# Altium PCB ST_Board.PcbDoc (continued)
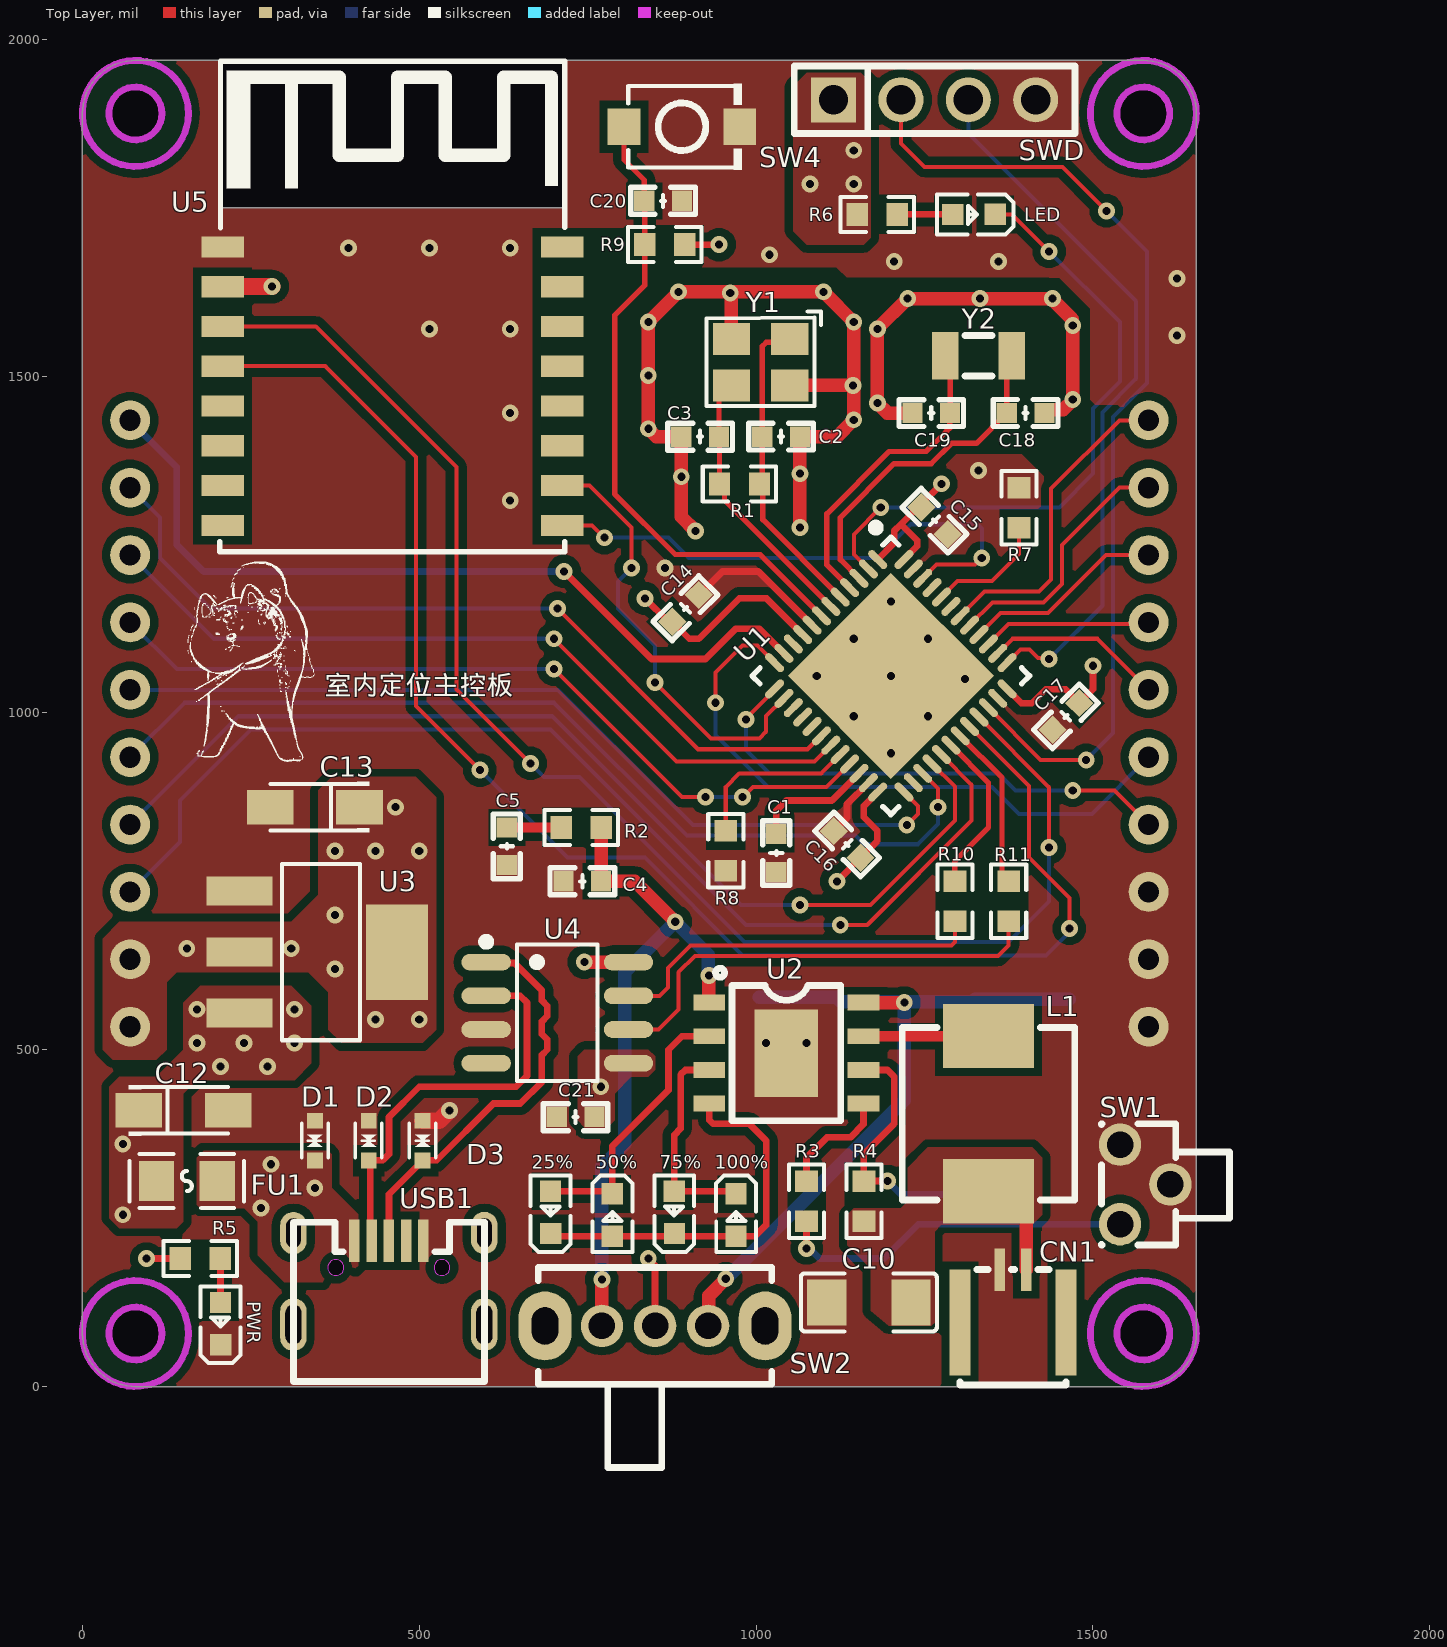
[diagram p0: Top Layer view]
## Design rules (kind name [scope] priority, off if disabled: settings)
Clearance Clearance_Singnal [InNetClass('Singnal') And (IsTrack Or IsArc) vs InNetClass('Singnal') And (IsTrack Or IsArc)] p1: gap=8 ignorepadtopadclearanceinfootprint=TRUE
Clearance Clearance_InPoly [InPoly] p2: gap=12 ignorepadtopadclearanceinfootprint=TRUE
Clearance [All] p3: gap=8 ignorepadtopadclearanceinfootprint=TRUE
DiffPairsRouting [All] p1: maxlimit=20 minlimit=12 mostfreqgap=12 toplayer_minwidth=6 toplayer_maxwidth=10 toplayer_prefwidth=6 bottomlayer_minwidth=6 bottomlayer_maxwidth=10 bottomlayer_prefwidth=6 maxuncoupledlength=700
HoleToHoleClearance [All] p1: gap=8 allowstackedmicrovias=TRUE
MatchedLengths [InDifferentialPair('D')] p1: tolerance=10 checknetsindiffpair=FALSE checkdiffpairvsdiffpair=TRUE checkxsignals=TRUE checkothers=TRUE
MinimumSolderMaskSliver [All] p1: minsoldermaskwidth=0.5
PlaneClearance [All] p1: clearance=12
PlaneConnect [All] p1: planeconnectstyle=Direct reliefexpansion=20 reliefentries=4 reliefconductorwidth=10 reliefairgap=10
PolygonConnect PolygonConnect_GND [All] p1: connectstyle=Direct reliefconductorwidth=10 reliefentries=4 polygonreliefangle="90 Angle" airgapwidth=10
PolygonConnect [OnBottomLayer Or OnBottomLayer vs IsVia] p2: connectstyle=Relief reliefconductorwidth=10 reliefentries=4 polygonreliefangle="90 Angle" airgapwidth=10
RoutingVias [All] p1: holewidth=12 width=25 viastyle="Through Hole" minholewidth=12 minwidth=25 maxholewidth=28 maxwidth=50
SilkToSilkClearance [All] p1: silktosilkclearance=2
SilkToSolderMaskClearance [IsPad] p1: minsilkscreentomaskgap=2 clearancetoexposedcopper=TRUE
SolderMaskExpansion [IsVia] p1: expansion=4 istentingtop=TRUE
Width Width_Signal [InNetClass('Singnal')] p1: maxlimit=10 minlimit=6 preferedwidth=6 minimp=50.000000 maximp=50.000000 favimp=50.000000
Width Width_Analog [InNetClass('Analog')] p2: maxlimit=15 minlimit=10 preferedwidth=10 minimp=50.000000 maximp=50.000000 favimp=50.000000
Width Width_PWR [InNetClass('PWR')] p3: maxlimit=30 minlimit=10 preferedwidth=20 bottomlayer_minwidth=15 minimp=50.000000 maximp=50.000000 favimp=50.000000
Width Width_GND [InNetClass('GND')] p4: maxlimit=50 minlimit=10 preferedwidth=25 bottomlayer_minwidth=25 minimp=50.000000 maximp=50.000000 favimp=50.000000
Width [All] p5: maxlimit=40 minlimit=6 preferedwidth=10 bottomlayer_minwidth=10 bottomlayer_maxwidth=10 minimp=50.000000 maximp=50.000000 favimp=50.000000
23 further rules are at their usual default settings.

## Classes and differential pairs
net class Analog: AIN NetC1_2 NetC5_2 NetC11_2 NetL1_1 NetLED1_1 NetLED1_2 NetLED3_2 NetLED5_2 NetLED6_2 NetR3_1 NetR3_2
net class GND: GND
net class singnal: BOOT0 BOOT1 D_N D_P DE_RXD DE_TXD MCU_C0 MCU_C1 MCU_C2 MCU_INH1 MCU_INH2 MCU_INH3 MCU_R0 MCU_R1 MCU_R2 MCU_R3 MCU_R4 MCU_R5 NRST RXD1 RXD2 RXD6 SPPKEY STATE SWCLK SWDIO TXD1 TXD2 TXD6 ULED XTALA XTALB XTALC XTALD
net class PWR: VBAT VBAT-IN VBAT-OUT VBUS VCC-3.3 VCC-5
differential pair D: +D_P -D_N

## Components (designator, comment, footprint, x,y, rotation, side; value= is the part's Value field where it differs from the comment)
25% "NCD0603G2" LED0603-RD 695.14,258.53 r90 top (schematic designator LED1)
50% "NCD0603G2" LED0603-RD 786.52,254.62 r270 top (schematic designator LED2)
75% "NCD0603G2" LED0603-RD 878.75,258.53 r90 top (schematic designator LED3)
100% "NCD0603G2" LED0603-RD 970.14,254.62 r270 top (schematic designator LED4)
C1 "Cap" C0603 1030,792 r90 top value=2.2uF
C2 "Cap" C0603 1037,1410 r180 top value=22pF
C3 "Cap" C0603 917,1410 r0 top value=22pF
C4 "Cap" C0603 742,750 r0 top value=10uF
C5 "Cap" C0603 630,802 r90 top value=10uF
C6 "Cap" C1206 1465,512.3 r90 bottom value=22uF
C7 "Cap" C1206 1325,512.3 r90 bottom value=22uF
C8 "Cap" C1206 1120,515 r90 bottom value=22uF
C9 "Cap" C1206 1005,515 r90 bottom value=22uF
C10 "Cap" C1206 1167.3,125 r0 top value=22uF
C11 "Cap" C1206 1377.3,305 r180 bottom value=22uF
C12 "TAJA106K016RNJ" CAP-SMD_L3.2-W1.6-RD-C7171 150,410 r0 top value=10uF
C13 "TAJA106K016RNJ" CAP-SMD_L3.2-W1.6-RD-C7171 345,860 r180 top value=10uF
C14 "Cap" C0603 895.2,1155.2 r225 top value=100nF
C15 "Cap" C0603 1264.8,1285.2 r135 top value=100nF
C16 "Cap" C0603 1135.2,804.8 r315 top value=100nF
C17 "Cap" C0603 1459.8,994.8 r45 top value=100nF
C18 "Cap" C0603 1400,1445 r180 top value=22pF
C19 "Cap" C0603 1260,1445 r0 top value=22pF
C20 "Cap" C0603 862,1760 r180 top value=100nF
C21 "Cap" C0603 732,400 r0 top value=100nF
CN1 "1.0T-2P卧贴" CONN-SMD_1.0T-2P 1381.26,134.34 r0 top
D1 "LESD5D5.0CT1G" SOD-523_L1.2-W0.8-LS1.6-BI 345,365 r270 top
D2 "LESD5D5.0CT1G" SOD-523_L1.2-W0.8-LS1.6-BI 425,365 r270 top
D3 "LESD5D5.0CT1G" SOD-523_L1.2-W0.8-LS1.6-BI 505,365 r270 top
FU1 "FUSE 1A" F0805 155.02,305 r180 top
J1 "Header 10X1" HDR-TH_10P-P2.54-V-M 70.87,984.25 r270 bottom
J2 "Header 10X1" HDR-TH_10P-P2.54-V-M 1582.68,984.25 r270 bottom
L1 "Inductor" IND-SMD_L6.5-W6.5_IHLP-2525 1345,405 r270 top value=1uH
LED "NCD0603G2" LED0603-RD 1323.53,1739.86 r180 top (schematic designator LED6)
PWR "NCD0603G2" LED0603-RD 205.13,93.53 r90 top (schematic designator LED5)
R1 "10M" R0603 975.34,1340 r0 top
R2 "2Ω" R0603 740.34,830 r0 top
R3 "10k" R0603 1075,275.34 r90 top
R4 "500mΩ" R0603 1160,275.34 r270 top
R5 "2k" R0603 175,190 r0 top
R6 "2k" R0603 1180,1740 r0 top
R7 "100k" R0603 1390,1304.66 r270 top
R8 "100k" R0603 955,795.34 r90 top
R9 "4.7k" R0603 864.66,1695 r180 top
R10 "0Ω" R0603 1295,720.34 r90 top
R11 "0Ω" R0603 1375,720.34 r90 top
SW1 "GT-TCB73B-H048-L1" SW-TH_G-SWITCH_GT-TCB73B-H048-L1 1577.6,300.01 r90 top
SW2 "SK12D07VG3" SW-TH_SK12D07VG3 850,90 r0 top
SW4 "TS-1088-AR02016" SW-SMD_L3.9-W3.0-P4.45 890,1870 r0 top
SWD "SWD" HDR-TH_4P-P2.54-V-F 1265,1910 r0 top
U1 "STM32F411CEU6" UFQFPN-48_L7.0-W7.0-P0.50-BL-EP 1200,1055 r225 top
U2 "IP5306" ESOP-8_L4.9-W3.9-P1.27-LS6.0-BL-EP 1045,495 r270 top
U3 "LD1117-3.3" SOT-223-3_L6.5-W3.4-P2.30-LS7.0-BR 350,645 r180 top
U4 "CH340N" SOP-8_L4.9-W3.9-P1.27-LS6.0-BL 705,555 r270 top
U5 "HC04" HC-04 460,1485 r0 top
USB1 "U-F-M5DD-W-2" MICRO-USB-SMD_MICRO-USB-A17 455,160 r270 top
Y1 "25M" OSC-SMD_4P-L3.2-W2.5-BL 1006.69,1520.55 r180 top value=-
Y2 "32.768K" FC-135R_L3.2-W1.5 1330,1530 r180 top

## Footprints (in the part's own frame and the unit in brackets; to place one, negate y for a bottom-side part, rotate by r counter-clockwise, add the part's x,y. Pads: shape width x height; smd on the part's side, far side on the other; paste and mask are expansions set on the pad)
C0603 [mil] "无极性贴片电容"
  rect 30x30 smd mask+2: 1(-28,0) 2(28,0)
  silkscreen extent -48,-20 48,20, body extent -31,-16 31,16, height 32
C1206 [mm] "无极性贴片电容"
  rect 1.485x1.728 smd paste-100 mask+0.051: 1(-1.593,0) 2(1.593,0)
  silkscreen extent -2.56,-1.09 2.56,1.09, body extent -1.73,-0.81 1.47,0.81, height 1.11
CAP-SMD_L3.2-W1.6-RD-C7171 [mil]
  rect 69.19x51.02 smd paste+0 mask+2: 1(-66.39,0) 2(66.39,0)
  silkscreen extent -81,-37 66,37, body extent -68,-31 58,31, height 67
CONN-SMD_1.0T-2P [mm]
  rect 0.8x4 smd paste+0 mask+0.051: 0(-2,-0.999) 0(2,-0.999)
  rect 0.4x1.6 smd paste+0 mask+0.051: 1(-0.498,0.999) 2(0.502,0.999)
  silkscreen extent -2,-3.35 2,1, body extent -1.75,-3.4 1.75,1.6, height 2.45
ESOP-8_L4.9-W3.9-P1.27-LS6.0-BL-EP [mm]
  rect 0.6x1.2 smd paste+0 mask+0.051: 1(-1.905,-2.908) 2(-0.635,-2.908) 3(0.635,-2.908) 4(1.905,-2.908) 5(1.905,2.908) 6(0.635,2.908) 7(-0.635,2.908) 8(-1.905,2.908)
  rect 3.3x2.4 smd paste+0 mask+0.051: 9(0,0)
  silkscreen extent -3.2,-2.67 2.55,2.05, body extent -2.45,-3.05 2.45,3.05, height 1.67
F0805 [mm]
  rect 1.335x1.5 smd paste-100 mask+0.051: 1(-1.142,0) 2(1.142,0)
  silkscreen extent -2.16,-1.02 2.16,1.02, body extent -1.05,-0.7 1.05,0.7, height 0.8
FC-135R_L3.2-W1.5 [mm]
  rect 1x1.8 smd: 1(-1.25,0) 2(1.25,0)
  silkscreen extent -0.51,-0.76 0.51,0.76, body extent -1.6,-0.75 1.6,0.75, height 0.76
HC-04 [mm]
  rect 1.6x0.8 smd: 1(-6.4,5.25) 2(-6.4,3.75) 3(-6.4,2.25) 4(-6.4,0.75) 5(-6.4,-0.75) 6(-6.4,-2.25) 7(-6.4,-3.75) 8(-6.4,-5.25) 9(6.4,-5.25) 10(6.4,-3.75) 11(6.4,-2.25) 12(6.4,-0.75) 13(6.4,0.75) 14(6.4,2.25) 15(6.4,3.75) 16(6.4,5.25)
  silkscreen extent -6.5,-6.25 6.5,12.25
HDR-TH_4P-P2.54-V-F [mm]
  rect 1.7x1.7 hole 1.1: 1(-3.81,0)
  round 1.7 hole 1.1: 2(-1.27,0) 3(1.27,0) 4(3.81,0)
  silkscreen extent -5.29,-1.27 5.29,1.27
HDR-TH_10P-P2.54-V-M [mm]
  round 1.5 hole 0.8 paste+0 mask+0.05: 1(-11.43,0) 2(-8.89,0) 3(-6.35,0) 4(-3.81,0) 5(-1.27,0) 6(1.27,0) 7(3.81,0) 8(6.35,0) 9(8.89,0) 10(11.43,0)
  silkscreen extent -12.7,-1.27 12.7,1.27, body extent -12.7,-1.41 12.71,1.4, height 10.1
IND-SMD_L6.5-W6.5_IHLP-2525 [mm] "贴片电感"
  rect 2.42x3.43 smd paste+0 mask+0.051: 1(-2.925,0) 2(2.925,0)
  silkscreen extent -3.25,-3.25 3.25,3.25, body extent -3.43,-3.23 3.43,3.23, height 2.97
LED0603-RD [mm] "LED0603"
  rect 0.8x0.8 smd paste+0 mask+0.051: 1(-0.799,-0.003) 2(0.799,0.003)
  silkscreen extent -1.49,-0.75 1.39,0.76, body extent -0.81,-0.41 0.81,0.41, height 0.56
MICRO-USB-SMD_MICRO-USB-A17 [mm]
  rect 1.6x0.4 smd paste-100 mask+0.051: 1(-1.435,-1.3) 2(-1.435,-0.65) 3(-1.435,0) 4(-1.435,0.65) 5(-1.435,1.3)
  oval 1.6x1 hole 0.55 slot 1.1 at 0 deg copper offset 0.001,0 paste+0 mask+0.051: 6(-1.725,-3.599)
  oval 1.6x1 hole 0.55 slot 1.1 at 0 deg copper offset -0.001,0 paste+0 mask+0.051: 7(-1.725,3.599)
  oval 2x1 hole 0.6 slot 1.5 at 0 deg copper offset -0.001,0.001 paste+0 mask+0.051: 8(1.724,3.599)
  oval 2x1 hole 0.6 slot 1.5 at 0 deg copper offset 0.001,0.001 paste+0 mask+0.051: 9(1.724,-3.599)
  Keep-Out Layer board cut-out: -0.125,-2 -0.125,-1.94 -0.171,-1.83 -0.255,-1.746 -0.365,-1.7 -0.485,-1.7 -0.595,-1.746 -0.679,-1.83 -0.725,-1.94 -0.725,-2 -0.725,-2.06 -0.679,-2.17 -0.595,-2.254 -0.485,-2.3 -0.365,-2.3 -0.255,-2.254 -0.171,-2.17 -0.125,-2.06 -0.125,-2 -0.125,-2
  Keep-Out Layer board cut-out: -0.125,2 -0.125,2.06 -0.171,2.17 -0.255,2.254 -0.365,2.3 -0.485,2.3 -0.595,2.254 -0.679,2.17 -0.725,2.06 -0.725,2 -0.725,1.94 -0.679,1.83 -0.595,1.746 -0.485,1.7 -0.365,1.7 -0.255,1.746 -0.171,1.83 -0.125,1.94 -0.125,2 -0.125,2
  silkscreen extent -2.14,-3.6 3.88,3.61, body extent -2.1,-3.75 4,3.75, height 2.53
OSC-SMD_4P-L3.2-W2.5-BL [mm]
  rect 1.4x1.2 smd: 1(-1.1,-0.875) 2(1.1,-0.875) 3(1.1,0.875) 4(-1.1,0.875)
  silkscreen extent -2.29,-1.9 2.03,1.65, body extent -1.6,-1.25 1.6,1.25, height 0.81
R0603 [mil] "R0603"
  rect 31.75x34.02 smd paste-3937.01 mask+2: 1(-29.66,0) 2(29.66,0)
  silkscreen extent -55,-26 55,26, body extent -31,-16 31,16, height 17
SOD-523_L1.2-W0.8-LS1.6-BI [mm]
  rect 0.6x0.6 smd paste+0 mask+0.051: 1(-0.75,0) 2(0.75,0)
  silkscreen extent -0.65,-0.5 0.65,0.5, body extent -0.8,-0.4 0.8,0.4, height 0.71
SOP-8_L4.9-W3.9-P1.27-LS6.0-BL [mm]
  oval 0.63x1.865 smd: 1(-1.905,-2.682) 2(-0.635,-2.682) 3(0.635,-2.682) 4(1.905,-2.682) 5(1.905,2.682) 6(0.635,2.682) 7(-0.635,2.682) 8(-1.905,2.682)
  silkscreen extent -2.82,-2.83 2.58,1.52, body extent -2.45,-3 2.45,3, height 1.5
SOT-223-3_L6.5-W3.4-P2.30-LS7.0-BR [mm]
  rect 2.5x1.1 smd paste+0 mask+0.051: 1(2.97,-2.3) 2(2.97,0) 3(2.97,2.3)
  rect 2.34x3.6 smd paste+0 mask+0.051: 4(-2.97,0)
  silkscreen extent -1.57,-3.33 1.37,3.33, body extent -3.88,-3.25 3.12,3.25, height 1.84
SW-SMD_L3.9-W3.0-P4.45 [mm]
  rect 1.23x1.36 smd paste+0 mask+0.051: 1(-2.185,0) 2(2.185,0)
  silkscreen extent -2.03,-1.62 2.25,1.62, body extent -2.4,-1.45 2.4,1.45, height 1.95
SW-TH_G-SWITCH_GT-TCB73B-H048-L1 [mm]
  round 1.6 hole 1 paste+0 mask+0.051: 1(-1.5,0.95) 2(1.5,0.95) 3(0,-0.95)
  silkscreen extent -2.29,-3.18 2.29,1.65, body extent -2.25,-3.08 2.25,1.72, height 4.47
SW-TH_SK12D07VG3 [mm]
  round 1.6 hole 1 paste+0 mask+0.051: 1(-2,0) 2(0,0) 3(2,0)
  oval 2x2.6 hole 1 slot 1.4 at 90 deg paste+0 mask+0.051: 4(4.15,0) 5(-4.15,0)
  silkscreen extent -4.4,-5.33 4.4,2.2, body extent -4.35,-6.22 4.35,2.18, height 4.7
UFQFPN-48_L7.0-W7.0-P0.50-BL-EP [mm]
  oval 0.28x0.9 smd: 1(-2.751,-3.449) 2(-2.25,-3.449) 3(-1.75,-3.449) 4(-1.25,-3.449) 5(-0.749,-3.449) 6(-0.249,-3.449) 7(0.249,-3.449) 8(0.749,-3.449) 9(1.25,-3.449) 10(1.75,-3.449) 11(2.251,-3.449) 12(2.751,-3.449) 25(2.751,3.449) 26(2.251,3.449) 27(1.75,3.449) 28(1.25,3.449) 29(0.749,3.449) 30(0.249,3.449) 31(-0.249,3.449) 32(-0.749,3.449) 33(-1.25,3.449) 34(-1.75,3.449) 35(-2.25,3.449) 36(-2.751,3.449)
  oval 0.9x0.28 smd: 13(3.449,-2.751) 14(3.449,-2.251) 15(3.449,-1.75) 16(3.449,-1.25) 17(3.449,-0.749) 18(3.449,-0.249) 19(3.449,0.249) 20(3.449,0.749) 21(3.449,1.25) 22(3.449,1.75) 23(3.449,2.25) 24(3.449,2.751) 37(-3.449,2.751) 38(-3.449,2.25) 39(-3.449,1.75) 40(-3.449,1.25) 41(-3.449,0.749) 42(-3.449,0.249) 43(-3.449,-0.249) 44(-3.449,-0.749) 45(-3.449,-1.25) 46(-3.449,-1.75) 47(-3.449,-2.251) 48(-3.449,-2.751)
  rect 5.5x5.5 smd: 49(0,0)
  silkscreen extent -3.7,-4.5 3.7,3.7, body extent -3.5,-3.5 3.5,3.5, height 0.61

## Part data
25% 50% 75% 100%: Emitted Color=翠绿, JLCPCB Part Class="Extended Part", Manufacturer=国星光电, Add into BOM=yes, Convert to PCB=yes, Datasheet=https://atta.szlcsc.com/upload/public/pdf/source/20200820/C87326_434E337B13CFAB9A1423E0838CFDDDAC.pdf, Device=NCD0603G2, LCSC Part Name=翠绿, Manufacturer Part=NCD0603G2, Name=NCD0603G2, Supplier=LCSC, Supplier Footprint=0603, Supplier Part=C87326, Symbol=FC-1608UGK-520D
C1 C2 C3 C4 C5 C6 C7 C8 C9 C10 C11 C14 C15 C16 C17 C18 C19 C20 C21: "Capacitor", LatestRevisionDate=17-Jul-2002, LatestRevisionNote="Re-released for DXP Platform.", PackageDescription="Radial Cap, Thru-Hole; 2 Leads; 0.3 in Pin Spacing", PackageReference=RAD-0.3, Published=8-Jun-2000, Publisher="Altium Limited"
C12 C13: library part Cap-TAJA, "贴片钽电容", Equivalent Series Resistance(ESR)=3Ω@100kHz, JLCPCB Part Class="Basic Part", LCSC Part Name="10uF ±10% 16V", Manufacturer="Kyocera AVX", Operating Temperature=-55℃~+125℃, Rated Voltage=16V, Tolerance=±10%, Add into BOM=yes, Convert to PCB=yes, Datasheet=https://atta.szlcsc.com/upload/public/pdf/source/20160107/1457707748093.pdf, Device=TAJA106K016RNJ, Manufacturer Part=TAJA106K016RNJ, Name=10uF, Supplier=LCSC, Supplier Footprint=CASE-A-3216, Supplier Part=C7171, Symbol=TAJA106K016RNJ
CN1: "锂电池接口", JLCPCB Part Class="Extended Part", LCSC Part Name="SH 1mm 1x2P 卧贴", Manufacturer=BOOMELE(博穆精密), Add into BOM=yes, Contact Material=磷铜, Convert to PCB=yes, Datasheet=https://atta.szlcsc.com/upload/public/pdf/source/20171115/C145954_15107293403501120439.pdf, Device=1.0T-2P卧贴, Manufacturer Part=1.0T-2P卧贴, Mounting Style=-, Name=1.0T-2P卧贴, Number of PINs Per Row=2, Number of Rows=1, Pins Structure=1x2P, Pitch=1mm, Reference Series=SH, Row Spacing=-, Supplier=LCSC, Supplier Footprint=SMD,P=1mm, Supplier Part=C145954, Symbol=1.0T-2P_C145954
D1 D2 D3: "静电放电(ESD)保护器件", Designer=U?, Device=LESD5D5.0CT1G, Symbol=LESD5D5.0CT1G
FU1: library part FU, "贴片保险丝", Current Rating (Max)=40A, Hold Current=750mA, JLCPCB Part Class="Extended Part", LCSC Part Name="6V 750mA 0805自恢复", Manufacturer=RUILON(瑞隆源), Manufacturer Part=SMD0805P075TF, Operating Voltage (Max)=6V, Trip Current=1.5A, Add into BOM=yes, Convert to PCB=yes, Datasheet=https://atta.szlcsc.com/upload/public/pdf/source/20140222/1457706788789.pdf, Device=SMD0805P075TF_C20979, Name=SMD0805P075TF, Supplier=LCSC, Supplier Footprint=0805, Supplier Part=C20979, Symbol=SMD0805P075TF
J1 J2: "10P*1接插件", Designer=U?, Device=MF254V-11-10-1000-H70, Symbol=MF254V-11-10-1000-H70
LED PWR: "LED", Emitted Color=翠绿, JLCPCB Part Class="Extended Part", Manufacturer=国星光电, Add into BOM=yes, Convert to PCB=yes, Datasheet=https://atta.szlcsc.com/upload/public/pdf/source/20200820/C87326_434E337B13CFAB9A1423E0838CFDDDAC.pdf, Device=NCD0603G2, LCSC Part Name=翠绿, Manufacturer Part=NCD0603G2, Name=NCD0603G2, Supplier=LCSC, Supplier Footprint=0603, Supplier Part=C87326, Symbol=FC-1608UGK-520D
R1 R2 R3 R4 R5 R6 R7 R8 R9 R10 R11: library part Res3, "Resistor", LatestRevisionDate=29-May-2009, LatestRevisionNote="IPC-7351 Footprint Added.", PackageDescription="Chip Resistor", PackageReference=J1-0603, Published=8-Jun-2000, Publisher="Altium Limited"
SW1: Actuator/Cap Color=黑色, Contact Current=50mA, Insulation Resistance=100MΩ, JLCPCB Part Class="Extended Part", LCSC Part Name="4.5*4.5*4.8mm 卧插 轻触开关", Manufacturer=G-Switch(品赞), Operating Force=250gf@±30gf, Operating Temperature=-30℃~+85℃, Voltage Rating (DC)=12V, Actuator Style=圆形按钮, Add into BOM=yes, Circuit=单刀单掷, Convert to PCB=yes, Datasheet=https://atta.szlcsc.com/upload/public/pdf/source/20211129/A9DBC36F7854845B7C58D6A3B2089FE3.pdf, Device=GT-TCB73B-H048-L1, Manufacturer Part=GT-TCB73B-H048-L1, Mechanical Life=10万次, Mounting Style=卧插, Name=GT-TCB73B-H048-L1, Pin Style=PC引脚, Strike Gundam=否, Supplier=LCSC, Supplier Footprint=插件, Supplier Part=C2890354, Switch Height=4.8mm, Switch Length=4.5mm, Switch Width=4.5mm, Symbol=GT-TCB73B-H048-L1, With Lamp=无
SW2: JLCPCB Part Class="Extended Part", LCSC Part Name=两档位卧式拨动开关,柄长3MM, Manufacturer="SHOU HAN(首韩)", Add into BOM=yes, Convert to PCB=yes, Datasheet=https://atta.szlcsc.com/upload/public/pdf/source/20190925/C431547_01B93C6F3FA5C09E15F8CCBF4E6DB91A.pdf, Device=SK12D07VG3, Manufacturer Part=SK12D07VG3, Name=SK12D07VG3, Supplier=LCSC, Supplier Footprint=插件, Supplier Part=C431547, Symbol=SK12D07VG3_C431547
SW4: Actuator/Cap Color=黑色, Contact Current=50mA, Insulation Resistance=100MΩ, JLCPCB Part Class="Extended Part", LCSC Part Name="4*3*2mm 立贴 轻触开关", Manufacturer=XUNPU(讯普), Operating Force=160gf@±50gf, Operating Temperature=-30℃~+80℃, Voltage Rating (DC)=12V, Actuator Style=圆形按钮, Add into BOM=yes, Circuit=单刀单掷, Convert to PCB=yes, Datasheet=https://atta.szlcsc.com/upload/public/pdf/source/20200810/C720475_60D09DD6C54279ADDB2DC25100F1CC11.pdf, Device=TS-1088-AR02016, Manufacturer Part=TS-1088-AR02016, Mechanical Life=10万次, Mounting Style=立贴, Name=TS-1088-AR02016, Pin Style=SMD接片, Strike Gundam=否, Supplier=LCSC, Supplier Footprint=SMD, Supplier Part=C720477, Switch Height=2mm, Switch Length=4mm, Switch Width=3mm, Symbol=TS-1088-AR02016
SWD: library part "Header 4", "4P接插件", BOM名称=4P接插件, 学习资源=www.ooocke.com, 版权归属=源创客
U2: JLCPCB Part Class="Extended Part", Manufacturer=INJOINIC(英集芯), Add into BOM=yes, Convert to PCB=yes, Datasheet=https://atta.szlcsc.com/upload/public/pdf/source/20180920/C181692_842C9BF636DF123BB66E91FC1AD6F13F.pdf, Device=IP5306, LCSC Part Name=IP5306, Manufacturer Part=IP5306, Name=IP5306, Supplier=LCSC, Supplier Footprint=ESOP-8, Supplier Part=C181692, Symbol=IP5306
U3: "低压差线性稳压器3.3V"
U5: "SPP2.1+BLE5.0"
USB1: JLCPCB Part Class="Extended Part", Manufacturer=韩国韩荣, Add into BOM=yes, Connector Type=Micro-B, Convert to PCB=yes, Datasheet=https://atta.szlcsc.com/upload/public/pdf/source/20200930/C879723_6542CD70930DA81B6877F7A914B29468.pdf, Device=U-F-M5DD-W-2, Gender=母座, LCSC Part Name=U-F-M5DD-W-2, Manufacturer Part=U-F-M5DD-W-2, Name=U-F-M5DD-W-2, Number of Contacts=5, Number of Ports=1, Standard="USB 2", Supplier=LCSC, Supplier Footprint=-, Supplier Part=C145793, Symbol=U-F-M5DD-W-2
Y1: library part "XTAL 4pin", JLCPCB Part Class="Extended Part", LCSC Part Name="3225 25M 10PF  10ppm  -20 -75℃", Load Capacitance=-, Manufacturer=TKD(泰晶), Manufacturer Part=SX32Y025000BA1T, Add into BOM=yes, Convert to PCB=yes, Crystal Type=-, Datasheet=https://atta.szlcsc.com/upload/public/pdf/source/20180829/C271631_9AC1C7FBF3C0341070E3D84891BB0616.pdf, Device=SX32Y025000BA1T, Name=-, Operating Temperature=-, Supplier=LCSC, Supplier Footprint=SMD3225-4P, Supplier Part=C271631, Symbol=SX32Y025000BA1T
Y2: library part XTAL, "晶振", LatestRevisionDate=17-Jul-2002, LatestRevisionNote="Re-released for DXP Platform.", PackageDescription="Crystal, Thru-Hole; 2 Leads; Body 3.1 x 8.2 mm (Dia.xH)", PackageReference=R38, Published=8-Jun-2000, Publisher="Altium Limited"
L1: Code_IEC=1005, Code_JEITA=0402, LatestRevisionDate=29-May-2009, LatestRevisionNote="IPC-7351 Footprint Added.", PackageDescription="Chip Inductor", PackageReference=0402-A, Published=8-Jun-2000, Publisher="Altium Limited"
U1: Designer=U?, Device=STM32F411CEU6, Symbol=STM32F411CEU6
U4: Designer=U?, Device=CH340N_C2977777, Symbol=CH340N_C2977777

## Via types
v1: diameter 25, hole 12, Top Layer to Bottom Layer, tented both sides, 114 vias

## Nets (pads, with @x,y where several pads share a name; then routed paths per layer and width w, separated by ;. In a path a pad name is that pad's centre, name@x,y a point inside that pad or via, vN(x,y) a via of type N, cw(c..) or ccw(c..) an arc to the next point about the centre after c; other vN are vias at no path point)
AIN: J1.1 U1.11 | length 1218.4
  Top Layer w10: v1(715,1210) 845,1080 925,1080 970,1125 1004.7,1125 U1.11
  Bottom Layer w10: J1.1 140,1365.12 140,1250 180,1210 v1(715,1210)
BOOT0: R7.2 U1.44 | length 180.4
  Top Layer w6: U1.44 1299.28,1196 1350,1196 1390,1236 R7.2
BOOT1: R8.2 U1.20 | length 254.8
  Top Layer w6: R8.2 955,890 975,910 1096.72,910 U1.20
D_N: D2.2 U4.2 USB1.2 | length 613.7
  Top Layer w10: USB1.2 427.2,218.68 427.2,333.28 D2.2 425.48,335.95 445.95,335.95 455,345 455,400 500,445 643.89,445 660,461.11 660,569.99 649.99,580 U4.2
D_P: D3.2 U4.1 USB1.3 | length 614.2
  Top Layer w10: USB1.3 455,285.47 505.48,335.95 525.95,335.95 610,420 650,420 682,452 682,492 690,500 690,515 682,523 682,542 690,550 690,565 682,573 682,588 641.23,628.77 600.62,628.77 U4.1
DE_RXD: R11.1 U4.6 | length 684.1
  Top Layer w6: U4.6 855,530 885,560 885,615 909,639 1359,639 1375,655 R11.1
DE_TXD: R10.1 U4.7 | length 565.3
  Top Layer w6: U4.7 856.49,580 869,592.51 869,621.63 902.37,655 1290,655 1295,660 R10.1
GND: C1.1 C2.1 C3.1 C4.1 C5.1 C6.1 C7.1 C8.1 C9.1 C10.1 C11.1 C12.2 C13.2 C14.1 C15.1 C16.1 C17.1 C18.1 C19.1 C20.1 C21.1 CN1.1 D1.1 D2.1 D3.1 J2.8 J2.9 J2.10 PWR.1 R7.1 R8.1 SW1.2 SW1.3 SW4.2 SWD.4 U1.8 U1.23 U1.35 U1.47 U2.9 U3.1 U4.3 U5.1 USB1.5 Y1.2 Y1.4 | length 2278.4
  Top Layer w10: C14.1 950,1210 1003.28,1210 U1.8 ; C16.1 1135,844.2 1135,864.7 U1.23 ; U1.47 U1.47@1233.65,1213.67 ; C15.1@1275,1265 1284.6,1274.6 C15.1
  Top Layer w20: v1(910,1270) 889,1291 C3.1 851.72,1410 v1(840,1421.72) v1(840,1580) v1(885,1625) v1@960,1625 ; Y1.2 963.38,1621.62 v1@960,1625 ; Y1.4 v1(1143.9,1486.1) v1@1145,1485 ; v1(1065,1275) C2.1 1120,1410 v1(1145,1435) v1@1145,1485 ; C19.1 1195,1445 v1(1180,1460) v1(1180,1570) v1(1225,1615) v1(1332.5,1615) v1(1440,1615) 1440,1613.65 1469.04,1584.6 1469.04,1575.96 v1(1470,1575) 1470,1464.22 1455.61,1449.82 1432.82,1449.82 C18.1 ; v1@960,1625 v1(1100,1625) v1(1145,1580) v1@1145,1485
  Top Layer w25: D3.1 529.53,394.53 v1(545,410)
  other v1: 1015,510 1075,510 865,1215 635,1315 889,1350.5 1065,1355 1330,1360 635,1445 1470,1465 840,1500.86 1625,1560 515,1570 635,1570 961.69,1623.31 1625,1645 1205,1670 1360,1670 1020,1680 395,1690 515,1690 635,1690
MCU_C0: J2.4 U1.39 | length 251.2
  Top Layer w6: U1.39 1374.44,1132 1580.43,1132 J2.4
MCU_C1: J2.5 U1.38 | length 264.3
  Top Layer w6: U1.38 1380.3,1110 1506.93,1110 J2.5
MCU_C2: J1.2 U1.18 | length 1230.5
  Top Layer w6: v1(705,1155) 914,946 1076.32,946 1096.22,965.9 U1.18
  Bottom Layer w6: J1.2 115,1290.12 115,1230 190,1155 v1(705,1155)
MCU_INH1: J2.2 U1.41 | length 384.1
  Top Layer w6: U1.41 1350.72,1164 1421.63,1164 1426.63,1164 1454,1191.37 1454,1196.37 1454,1249 1539.25,1334.25 J2.2
MCU_INH2: J2.3 U1.40 | length 300.8
  Top Layer w6: U1.40 1362.58,1148 1428.25,1148 1433.25,1148 1519.51,1234.25 J2.3
MCU_INH3: J1.8 U1.29 | length 1686
  Top Layer w6: v1(1125,685) 1165,685 1320,840 1320,893.28 U1.29
  Bottom Layer w6: J1.8 145,808.39 145,870 250,975 694.75,975 984.75,685 v1(1125,685)
MCU_R0: J1.3 U1.19 | length 1176.8
  Top Layer w6: v1(700,1110) 882,928 1086.86,928 U1.19
  Bottom Layer w6: J1.3 195.12,1110 v1(700,1110)
MCU_R1: J1.4 U1.21 | length 1195.7
  Top Layer w6: v1(700,1065) 890,875 v1(925,875) ; v1(980,875) 980.41,875 995.41,890 1104.58,890 U1.21
  Bottom Layer w6: J1.4 140.12,1065 v1(700,1065) ; v1(925,875) v1(980,875)
MCU_R2: J1.5 U1.25 | length 1299.9
  Top Layer w6: U1.25 1240,861.84 1240,850 v1(1223.7,833.7)
  Bottom Layer w6: J1.5 705.75,1034.25 906.3,833.7 v1(1223.7,833.7)
MCU_R3: J1.6 U1.27 | length 1416.6
  Top Layer w6: U1.27 1270,887.56 v1(1270,860)
  Bottom Layer w6: J1.6 151.61,1015 700,1015 897.3,817.7 1147.3,817.7 1160,805 1240,805 1270,835 v1(1270,860)
MCU_R4: J1.7 U1.28 | length 1556.6
  Top Layer w6: v1(1065,715) 1170,715 1295,840 1295,890.42 U1.28
  Bottom Layer w6: J1.7 231.61,995 697.37,995 977.37,715 v1(1065,715)
MCU_R5: J2.1 U1.42 | length 479
  Top Layer w6: U1.42 1338.86,1180 1420,1180 1438,1198 1438,1333 1539.25,1434.25 J2.1
NetC1_2: C1.2 U1.22 | length 180.6
  Top Layer w10: C1.2 1030,855 1045,870 1112.44,870 U1.22
NetC5_2: C5.2 R2.1 | length 80.7
  Top Layer w15: C5.2 R2.1
NetC11_2: C11.2 R4.1 U2.6 | length 394.5
  Top Layer w10: U2.6 1195,470 1205,460 1205,390 1160,345 R4.1 v1(1195,305)
  Bottom Layer w10: v1(1195,305) 1215,285 1294.6,285 C11.2
NetL1_1: L1.1 U2.7 | length 185.6
  Top Layer w15: U2.7 1344.86,520 L1.1
NetLED1_1: 25%.1 50%.2 75%.1 100%.2 U2.4 | length 578
  Top Layer w10: 25%.1 699.17,223.15 874.98,223.15 75%.1 882.79,223.15 100%.2 998.15,223.15 1015,240 1015,365 990,390 936.36,390 930.5,395.86 U2.4
NetLED1_2: 25%.2 50%.1 U2.2 | length 410.3
  Top Layer w10: 25%.2 782.48,290 50%.1 786.39,290 786.39,356.38 870,440 870,500 890,520 U2.2
NetLED3_2: 75%.2 100%.1 U2.3 | length 315.3
  Top Layer w10: U2.3 895,470 888,463 888,383 878.61,373.62 75%.2 966.1,290 100%.1
NetLED5_2: PWR.2 R5.2 | length 65.1
  Top Layer w10: R5.2 205,189.66 PWR.2
NetLED6_2: LED.2 R6.2 | length 82.5
  Top Layer w10: R6.2 1291.78,1740 LED.2
NetR3_1: R3.1 SW1.1 | length 533.2
  Top Layer w10: v1(1075,205) R3.1
  Bottom Layer w10: v1(1075,205) 1079.06,205 1094.06,190 1190,190 1240.95,240.95 SW1.1
NetR3_2: R3.2 U2.5 | length 170.5
  Top Layer w10: R3.2 1075,340 1105,370 1140,370 1159.5,389.5 U2.5
NRST: C20.2 R9.2 SW4.1 U1.7 | length 958.5
  Top Layer w8: SW4.1 803.98,1821.02 834,1791 C20.2 835,1759 R9.2 835,1635 790,1590 790,1325 880,1235 1006.14,1235 U1.7
PAD: U1.49
  other v1: 1200,940 1145,995 1255,995 1310,1050 1090,1055 1200,1055 1145,1110 1255,1110 1200,1165
RXD1: R11.2 U1.31 | length 245.7
  Top Layer w8: U1.31 1365,903.86 1365,760 R11.2
RXD2: J2.7 U1.13 | length 751.7
  Top Layer w6: v1(985,990) 985,991.8 1027.39,1034.2 U1.13 ; v1(1470,885) 1531.93,885 J2.7
  Bottom Layer w6: v1(985,990) 985,945 1020,910 1360,910 1385,885 v1(1470,885)
RXD6: U1.33 U5.3 | length 2140.5
  Top Layer w6: U5.3 346.42,1573.58 555,1365 555,1035 v1(665,925) ; U1.33 1435,889.58 v1(1435,800)
  Bottom Layer w6: v1(665,925) 685,905 737.63,905 982.63,660 1375,660 1435,720 v1(1435,800)
SPPKEY: U1.14 U5.10 | length 651.9
  Top Layer w6: U5.10 752.64,1337.36 815,1275 v1(815,1215) ; v1@851.49,1043.51 933,962 1005,962 1015,972 1015,995.3 U1.14
  Bottom Layer w6: v1(815,1215) 795,1195 795,1155.07 850,1100.07 v1(850,1045)
STATE: U1.46 U5.9 | length 812.3
  Top Layer w6: U5.9 756.69,1278.31 v1(775,1260) ; U1.46 1267.56,1220 1325,1220 v1(1335,1230)
  Bottom Layer w6: v1(775,1260) 870.07,1260 900.07,1230 1180,1230 1230,1280 1320,1280 1322.51,1282.51 1326.07,1282.51 1335,1273.59 v1(1335,1230)
SWCLK: SWD.3 U1.37 | length 1062.9
  Top Layer w6: U1.37 1392.16,1094 1406,1094 1418.3,1081.7 1433.3,1081.7 v1(1435,1080)
  Bottom Layer w6: SWD.3 1315,1860 1564,1611 1564,1495.97 1514,1445.97 1514,1159 v1(1435,1080)
SWDIO: SWD.2 U1.34 | length 1466
  Top Layer w6: SWD.2 1215,1845 1250,1810 1455,1810 v1(1520,1745) ; U1.34 1422.44,930 v1(1490,930)
  Bottom Layer w6: v1(1490,930) 1530,970 1530,1439.34 1580,1489.34 1580,1685 v1(1520,1745)
TXD1: R10.2 U1.30 | length 245.9
  Top Layer w8: U1.30 1345,896.14 1345,830 1295,780 R10.2
TXD2: J2.6 U1.12 | length 933.4
  Top Layer w6: v1(940,1015) 940,1060 980,1100 1001.84,1100 U1.12
  Bottom Layer w6: v1(940,1015) 940,967.37 1017.37,890 1350,890 1390,850 1498.43,850 J2.6
TXD6: U1.32 U5.4 | length 2216.6
  Top Layer w6: U5.4 360.47,1514.53 495,1380 495,1010 v1(590,915) ; U1.32 1405,891.72 1405,785 1465,725 v1(1465,680)
  Bottom Layer w6: v1(590,915) 720,785 835,785 980,640 1430,640 1465,675 v1(1465,680)
ULED: LED.1 U1.2 | length 945.4
  Top Layer w6: U1.2 1145,1235.3 1145,1265 v1(1185,1305) ; LED.1 1380,1740 v1(1435,1685)
  Bottom Layer w6: v1(1185,1305) 1450,1305 1500,1355 1500,1451.77 1540,1491.77 1540,1580 v1(1435,1685)
VBAT: C10.2 CN1.2 L1.2 R4.2 | length 150.2
  Top Layer w20: L1.2 1363.38,289.86 1401.02,252.22 CN1.2
VBAT-IN: C4.2 R2.2 SW2.1 U2.1 | length 1000.8
  Top Layer w10: U2.1@930,570.5 U2.1
  Top Layer w20: R2.2 C4.2 820,750 v1(880,690) ; SW2.1 v1(771.26,158.74) ; U2.1@930,570.5 v1(930,610)
  Bottom Layer w20: v1(771.26,158.74) 771.26,326.26 805,360 805,615 v1(880,690) 929.04,640.96 929.04,610.96 v1(930,610)
VBAT-OUT: C6.2 C7.2 C8.2 C9.2 SW2.3 U2.8 | length 1125.1
  Top Layer w15: SW2.3 SW2.3@930.05,91.31
  Top Layer w20: SW2.3@930.05,91.31 930.05,135.05 v1(955,160) ; U2.8 v1(1220,570)
  Bottom Layer w20: v1@955.96,160.96 1220,425 v1(1220,570) ; C9.2 C8.2 1126.74,570.96 1219.04,570.96 v1(1220,570) ; C6.2 C7.2 1320.96,570.96 1220.96,570.96 v1(1220,570)
VBUS: D1.2 FU1.1 SW2.2 USB1.1 | length 104.1
  Top Layer w10: v1(840,190) 850,180 SW2.2
  other v1: 265,265 345,295 280,330
VCC-3.3: C13.1 C14.2 C15.2 C16.2 C17.2 C21.2 J1.9 J1.10 R5.1 R6.1 R9.1 SWD.1 U1.1 U1.9 U1.24 U1.36 U1.48 U3.2 U3.4 U4.5 U4.8 U5.2 | length 1142.3
  Top Layer w10: v1(95,190) R5.1 ; v1(835,1170) 869.6,1135.4 C14.2 900.8,1110 915,1110 975,1170 1015.42,1170 U1.9 ; R9.1 v1(945,1695) ; v1(1120,750) C16.2 1180,810 1180,825 1160,845 1160,861.84 U1.24 ; U1.1 1205,1252.05 1205,1270 1215,1280 ; U1.48 1239.28,1247.44 1239.28,1255.72 1215,1280 ; v1(1275,1340) 1245,1310 C15.2 1240,1305 1215,1280 ; U1.36 1393.86,1014.3 1409.3,1014.3 1430,1035 1459.2,1035 C17.2 1500,1035 v1(1500,1070)
  Top Layer w20: v1(745,630) U4.8
  Top Layer w25: U5.2 v1(281.69,1632.64)
  other v1: 769.5,445 435,545 500,545 375,620 155,650 310,650 375,700 375,795 435,795 500,795 465,860 1080,1785 1145,1785 1145,1835
VCC-5: C12.1 FU1.2 U3.3
  other v1: 60,255 60,360 205,475 275,475 170,510 240,510 315,510 170,560 315,560
XTALA: C2.2 R1.2 U1.5 Y1.1 | length 472.9
  Top Layer w6: Y1.1@1046.06,1555 Y1.1
  Top Layer w8: Y1.1 1045.13,1550.13 1015.13,1550.13 1009,1544 C2.2 1009,1344 R1.2 1010,1335 1010,1286.72 U1.5
XTALB: C3.2 R1.1 U1.6 Y1.3 | length 405.6
  Top Layer w6: C3.2 C3.2@945.68,1409.32
  Top Layer w8: C3.2 945,1467.72 Y1.3 ; R1.1@945.68,1338.87 C3.2@945.68,1409.32 ; R1.1 953.18,1332.5 953.18,1315.68 U1.6
XTALC: C18.2 U1.3 Y2.1 | length 500.9
  Top Layer w8: U1.3 1125,1227.44 1125,1290 1205,1370 1260,1370 1290,1400 1327,1400 C18.2 1372,1522.79 Y2.1
XTALD: C19.2 U1.4 Y2.2 | length 469.4
  Top Layer w8: U1.4 1105,1219.58 1105,1295.46 1197.54,1388 1252.54,1388 1282.54,1418 1283,1418 1287.69,1422.69 1287.69,1444.69 C19.2 1288,1522.79 Y2.2
pads on no net: CN1.0 SW2.4 SW2.5 U1.10 U1.15 U1.16 U1.17 U1.26 U1.43 U1.45 U4.4 U5.5 U5.6 U5.7 U5.8 U5.11 U5.12 U5.13 U5.14 U5.15 U5.16 USB1.4 USB1.6 USB1.7 USB1.8 USB1.9

## Polygon pours and split planes (outlines as drawn)
GND on Top Layer "GND_L01_P014" (solid, pour order 14): 0,78.74 0,1889.76 cw(c78.74,1889.76) 78.74,1968.5 205,1968.5 205,1750 715,1750 715,1968.5 1574.8,1968.5 cw(c1574.8,1889.76) 1653.54,1889.76 1653.54,78.74 cw(c1574.8,78.74) 1574.8,0 78.74,0 cw(c78.74,78.74)
VCC-3.3 on Top Layer "VCC-3.3_L01_P013" (solid, pour order 13): 1075,1950 1155,1950 1170,1935 1170,1705 1160,1695 1075,1695 1055,1715 1055,1930
VBAT on Top Layer "VBAT_L01_P011" (solid, pour order 11): 1197,90 1260,90 1265,95 1265,230 1275,240 1410,240 1425,255 1425,340 1410,355 1255,355 1225,325 1225,275 1215,265 1145,265 1135,255 1135,210 1170,175 1170,112.5
VCC-3.3 on Top Layer "VCC-3.3_L01_P010" (solid, pour order 10): 735,395 745,385 745,380 775,380 790,395 790,435 815,460 840,460 850,470 850,490 840,500 745,500 735,490
VCC-3.3 on Top Layer "VCC-3.3_L01_P009" (solid, pour order 9): 30,665 30,500 45,485 110,485 125,500 125,600 140,615 335,615 365,585 365,530 385,510 505,510 525,530 525,875 495,905 370,905 350,885 350,730 310,690 55,690
VCC-5 on Top Layer "VCC-5_L01_P008" (solid, pour order 8): 40,250 55,235 140,235 150,245 150,435 170,455 315,455 340,480 340,565 310,595 175,595 150,570 150,500 110,460 55,460 40,445
VBUS on Top Layer "VBUS_L01_P007" (solid, pour order 7): 170,270 170,340 180,350 365,350 370,345 370,295 410,255 410,180 385,155 300,155 260,195 260,245 240,265 175,265
GND on Bottom Layer "GND_L04_P015" (solid, pour order 15): 0,78.74 0,1889.76 cw(c78.74,1889.76) 78.74,1968.5 205,1968.5 205,1750 715,1750 715,1968.5 1574.8,1968.5 cw(c1574.8,1889.76) 1653.54,1889.76 1653.54,78.74 cw(c1574.8,78.74) 1574.8,0 78.74,0 cw(c78.74,78.74)
VCC-3.3 on Power (split plane): 458 vertices, not listed, extent 40.09,40.09 1613.46,1928.42
VBUS on Power (split plane): 216 vertices, not listed, extent 191.05,161.05 898.95,413.95
VCC-5 on Power (split plane): 333.95,557.49 333.95,477.51 307.49,451.05 185,451.05 183.43,450.85 181.97,450.24 180.72,449.28 145.72,414.28 144.76,413.03 144.15,411.57 143.95,410 143.95,252.51 132.49,241.05 57.51,241.05 46.05,252.51 46.05,355 46.05,437.49 62.51,453.95 110,453.95 111.57,454.15 113.03,454.76 114.28,455.72 154.28,495.72 154.82,496.43 155.24,496.97 155.85,498.43 156.05,500 156.05,562.49 177.51,583.95 307.49,583.95
GND on GND (split plane): 305 vertices, not listed, extent 20.1,20.1 1633.45,1948.41

## Keep-outs
Keep-Out Layer:
  circle w10: c78.74,1889.76 r39.37
  circle w10: c1574.8,1889.76 r39.37
  circle w10: c1574.8,78.74 r39.37
  circle w10: c78.74,78.74 r39.37
  circle w10: c78.74,78.74 r78.74
  circle w10: c78.74,1889.76 r78.74
  circle w10: c1574.8,78.74 r78.74
  circle w10: c1574.8,1889.76 r78.74

## Other copper
Top Layer:
  pour cut-out: 1495,1600 1491.47,1596.47 1491.47,1456.38 1503.62,1456.38 1495,1465
  pour cut-out: 1434.28,1645.72 1435,1645 1450,1645 1495,1600 1491.47,1596.47 1491.47,1592.83
  pour cut-out: 1491.47,1456.38 1536.95,1456.38 1543.78,1449.55 1438.05,1343.81 1427.19,1343.81 1427.19,1351.09 1412.14,1366.14
  pour cut-out: 755.46,1352.09 763.08,1344.48 773.69,1344.48 773.69,1595 818.69,1640 818.69,1665.99 807.12,1665.99 807.12,1724.01 802.56,1719.44 755.46,1719.44
  pour cut-out: 915.07,1660.99 1119.01,1660.99 1135,1645 1110.61,1645 1109.89,1645.72
  pour cut-out: 851.31,1665.99 854.5,1662.81 854.5,1626.19 856.88,1626.19 876.42,1645.72 1109.89,1645.72 1119.89,1635.72 1444.28,1635.72 1434.28,1645.72 1109.76,1645.72
  pour cut-out: 1109.76,1645.72 1119.76,1635.72 1216.42,1635.72 1216.42,1631.87 1170.38,1585.83
  pour cut-out: 1087.43,1387.57 1112.57,1387.57 1151.42,1426.42 1165.72,1426.42 1165,1425.69 1165,1405 1179.68,1390.32 1092.43,1303.07 1092.43,1301.84 1088.26,1301.84 1087.43,1302.68
  pour cut-out: 1216.42,1635.72 1448.58,1635.72 1491.47,1592.83 1491.47,1456.38 1470.09,1435 1460,1435 1445,1420 1448.72,1416.28 1448.72,1373.42 1419.42,1373.42 1412.14,1366.14 1394.59,1383.69 1186.31,1383.69 1165,1405 1165,1580
  pour cut-out: 876.42,1645.72 1109.76,1645.72 1165.72,1589.76 1165.72,1426.42 1151.42,1426.42 1112.57,1387.57 1087.43,1387.57 1087.43,1262.43 1070,1245 893.07,1245 806.31,1331.76 806.31,1583.24
  pour cut-out: 1946.82,-290.98 1957.98,-290.98 1957.98,-294.61 1961.79,-298.41
Power (plane layer: these items are gaps in the copper):
  lines w12: 40,250 55,235 135,235 150,250 150,410 185,445 310,445 340,475 340,560 310,590 175,590 150,565 150,500 110,460 60,460 40,440 40,355 40,250 ; 185,195 225,155 470,155 875,155 905,185 905,365 850,420 485,420 440,375 210,375 185,350 185,195

## Silkscreen, mask and mechanical layers (free items; w line width, h text height)
Top Overlay:
  drawing of 216 lines, arcs and shapes, not listed
  text "室内定位主控板" at 360.03,1017.43 h50
Mechanical 1:
  circle w10: c78.74,1889.76 r39.37
  circle w10: c1574.8,1889.76 r39.37
  circle w10: c1574.8,78.74 r39.37
  circle w10: c78.74,78.74 r39.37
  lines w10: 0,78.74 ccw(c78.74,78.74) 78.74,0 1574.8,0 ccw(c1574.8,78.74) 1653.54,78.74 1653.54,1889.76 ccw(c1574.8,1889.76) 1574.8,1968.5 715,1968.5 715,1750 205,1750 205,1968.5 78.74,1968.5 ccw(c78.74,1889.76) 0,1889.76 0,78.74